# Altium PCB LPC4357_SDRAM_v0.2.PcbDoc (part 2 of 3)
Units mm, origin at the board's own origin, x right, y up, seen from the top; angles counter-clockwise.
Board outline 50 x 50 mm, 4 copper layers (Top Layer, Int1 (GND), Int2 (PWR), Bottom Layer), stack 1.57 mm thick; 90 components, 233 nets, 714 pads, 346 vias.
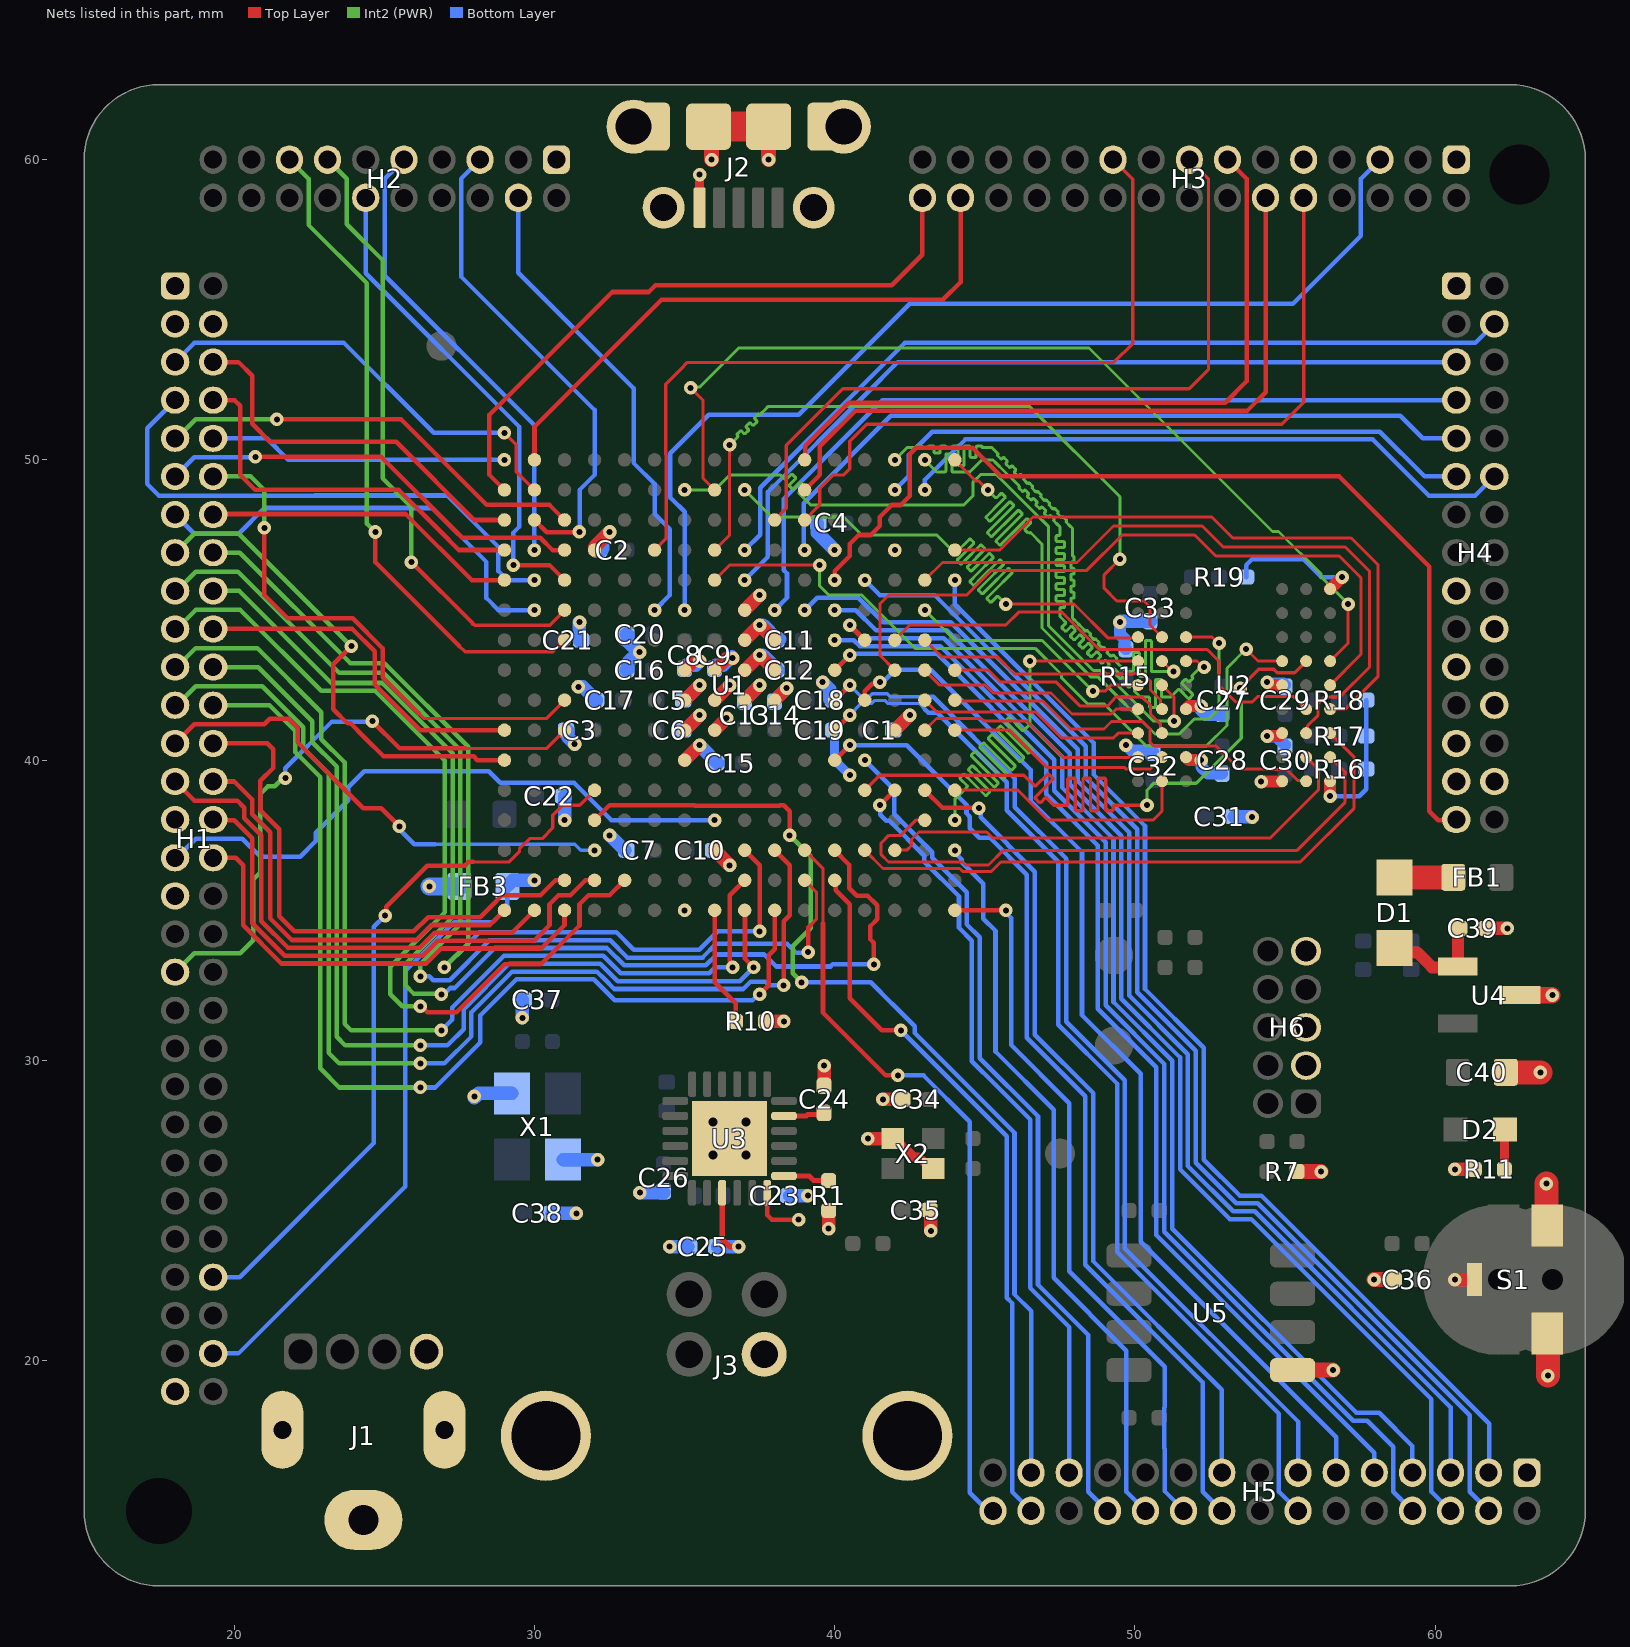
[diagram p4: the nets of this part, all layers, seen from the top]

## Via types
v1: diameter 0.45, hole 0.2, Top Layer to Bottom Layer, tented both sides, 231 vias
v2: diameter 0.45, hole 0.2, Top Layer to Bottom Layer, tented bottom, 68 vias
v3: diameter 0.45, hole 0.2, Top Layer to Bottom Layer, tented top, 27 vias
v4: diameter 0.5, hole 0.25, Top Layer to Bottom Layer, tented both sides, 15 vias
v5: diameter 0.5, hole 0.3, Top Layer to Bottom Layer, tented bottom, 4 vias
v6: diameter 0.45, hole 0.2, Top Layer to Bottom Layer, 1 vias

## Nets (pads, with @x,y where several pads share a name; then routed paths per layer and width w, separated by ;. In a path a pad name is that pad's centre, name@x,y a point inside that pad or via, vN(x,y) a via of type N, cw(c..) or ccw(c..) an arc to the next point about the centre after c; other vN are vias at no path point) (continued)
EMC_A13: U1.T16 U2.G7 | length 25.3
  Top Layer w0.1: U1.T16@44,50 44.7,49.3 44.8,49.3 v3(45.1,49) ; U2.G7@51.7,44.1 52.566,44.1 52.766,43.9 v1(52.8,43.9) v1@52.8,43.981
  Int2 (PWR) w0.1: v3(45.1,49) 45.305,48.795 45.347,48.753 ccw(c45.375,48.781) 45.404,48.753 45.525,48.874 cw(c45.553,48.846) 45.582,48.874 45.667,48.789 cw(c45.638,48.761) 45.667,48.733 45.517,48.583 45.053,48.12 ccw(c45.082,48.091) 45.053,48.063 45.138,47.978 ccw(c45.167,48.006) 45.195,47.978 45.658,48.442 45.808,48.591 cw(c45.836,48.563) 45.865,48.591 45.949,48.506 cw(c45.921,48.478) 45.949,48.45 45.8,48.3 45.105,47.606 ccw(c45.134,47.577) 45.105,47.549 45.19,47.464 ccw(c45.218,47.493) 45.247,47.464 45.941,48.159 46.091,48.308 cw(c46.119,48.28) 46.147,48.309 46.232,48.224 cw(c46.204,48.195) 46.232,48.167 46.083,48.017 45.388,47.323 ccw(c45.416,47.295) 45.388,47.266 45.473,47.182 ccw(c45.501,47.21) 45.53,47.182 46.224,47.876 46.374,48.026 cw(c46.402,47.997) 46.43,48.026 46.515,47.941 cw(c46.487,47.912) 46.515,47.884 46.365,47.734 46.348,47.717 ccw(c46.376,47.688) 46.348,47.66 46.432,47.575 ; 46.489,47.575 46.479,47.565 cw(c46.507,47.536) 46.535,47.565 46.897,47.203 46.9,47.2 46.9,44.818 46.902,44.816 46.902,44.4 48.524,42.778 48.764,42.778 50.669,40.873 51.477,40.873 51.976,41.372 52.472,41.372 52.8,41.7 v1(52.8,43.9)
EMC_A14: U1.H13 U2.G8 | length 25.3
  Top Layer w0.1: U1.H13@36,47 36.5,47.5 v1(36.5,50.5) ; v3(49.5,46.7) 48.972,46.172 48.972,45.723 49.395,45.3 50.3,45.3 50.5,45.1 50.5,44.5 U2.G8@50.9,44.1
  Int2 (PWR) w0.1: v1(36.5,50.5) 36.717,50.717 36.76,50.76 ccw(c36.731,50.788) 36.76,50.816 cw(c36.788,50.845) 36.76,50.873 36.845,50.958 cw(c36.873,50.929) 36.901,50.958 36.929,50.929 36.974,50.885 ccw(c37.002,50.913) 37.03,50.885 37.115,50.97 ccw(c37.087,50.998) 37.115,51.026 37.071,51.071 37.064,51.078 cw(c37.092,51.106) 37.064,51.134 37.149,51.219 cw(c37.177,51.191) 37.205,51.219 37.212,51.212 37.257,51.168 ccw(c37.285,51.196) 37.313,51.168 37.398,51.253 ccw(c37.37,51.281) 37.398,51.309 37.354,51.354 37.347,51.361 cw(c37.375,51.389) 37.347,51.417 37.431,51.502 cw(c37.46,51.474) 37.488,51.502 37.467,51.523 ccw(c37.495,51.552) 37.523,51.523 37.7,51.7 37.772,51.772 46.499,51.772 49.5,48.771 v3(49.5,46.7)
EMC_CAS: U1.R16 U2.F7 | length 26.1
  Top Layer w0.1: U2.F7@51.7,43.3 52.066,43.3 52.266,43.1 v3(52.3,43.1)
  Int2 (PWR) w0.1: v2(43,50) 43.2,49.8 43.4,49.6 43.5,49.6 43.66,49.6 ccw(c43.66,49.64) 43.7,49.64 43.7,50.161 cw(c43.74,50.161) 43.74,50.201 43.86,50.201 cw(c43.86,50.161) 43.9,50.161 43.9,49.64 ccw(c43.94,49.64) 43.94,49.6 44.1,49.6 44.102,49.6 44.5,49.6 44.9,50 45.271,50 45.365,49.905 45.45,49.821 45.573,49.698 46.134,49.137 46.156,49.114 46.149,49.107 ccw(c46.178,49.079) 46.149,49.05 46.234,48.966 ccw(c46.263,48.994) 46.291,48.966 46.298,48.973 46.305,48.98 cw(c46.333,48.951) 46.362,48.98 46.446,48.895 cw(c46.418,48.867) 46.446,48.838 46.439,48.831 46.432,48.824 ccw(c46.461,48.796) 46.432,48.768 46.517,48.683 ccw(c46.545,48.711) 46.574,48.683 46.581,48.69 46.588,48.697 cw(c46.616,48.669) 46.644,48.697 46.729,48.612 cw(c46.701,48.584) 46.729,48.555 46.722,48.548 46.715,48.541 ccw(c46.743,48.513) 46.715,48.485 46.8,48.4 ccw(c46.828,48.428) 46.857,48.4 46.864,48.407 46.871,48.414 cw(c46.899,48.386) 46.927,48.414 47.012,48.329 cw(c46.984,48.301) 47.012,48.273 47.005,48.266 46.998,48.258 ccw(c47.026,48.23) 46.998,48.202 47.083,48.117 ccw(c47.111,48.145) 47.139,48.117 47.146,48.124 47.154,48.131 cw(c47.182,48.103) 47.21,48.131 47.295,48.046 cw(c47.267,48.018) 47.295,47.99 47.288,47.983 47.429,47.841 47.5,47.771 47.5,47.683 47.5,47.523 cw(c47.46,47.523) 47.46,47.483 47.416,47.483 ccw(c47.416,47.443) 47.376,47.443 47.376,47.323 ccw(c47.416,47.323) 47.416,47.283 47.5,47.283 47.612,47.283 cw(c47.612,47.243) 47.652,47.243 47.652,47.123 cw(c47.612,47.123) 47.612,47.083 47.5,47.083 47.416,47.083 ccw(c47.416,47.043) 47.376,47.043 47.376,46.923 ccw(c47.416,46.923) 47.416,46.883 47.5,46.883 47.612,46.883 cw(c47.612,46.843) 47.652,46.843 47.652,46.723 cw(c47.612,46.723) 47.612,46.683 47.5,46.683 47.416,46.683 ccw(c47.416,46.643) 47.376,46.643 47.376,46.523 ccw(c47.416,46.523) 47.416,46.483 47.5,46.483 47.612,46.483 cw(c47.612,46.443) 47.652,46.443 47.652,46.323 cw(c47.612,46.323) 47.612,46.283 47.5,46.283 47.416,46.283 ccw(c47.416,46.243) 47.376,46.243 47.376,46.123 ccw(c47.416,46.123) 47.416,46.083 47.5,46.083 47.612,46.083 cw(c47.612,46.043) 47.652,46.043 47.652,45.923 cw(c47.612,45.923) 47.612,45.883 47.5,45.883 47.416,45.883 ccw(c47.416,45.843) 47.376,45.843 47.376,45.723 ccw(c47.416,45.723) 47.416,45.683 47.5,45.683 47.612,45.683 cw(c47.612,45.643) 47.652,45.643 47.652,45.523 cw(c47.612,45.523) 47.612,45.483 47.5,45.483 47.416,45.483 ccw(c47.416,45.443) 47.376,45.443 47.376,45.323 ccw(c47.416,45.323) 47.416,45.283 47.5,45.283 47.612,45.283 cw(c47.612,45.243) 47.652,45.243 47.652,45.123 cw(c47.612,45.123) 47.612,45.083 47.54,45.083 ccw(c47.54,45.043) 47.5,45.043 47.5,44.883 47.5,44.783 47.567,44.716 47.68,44.603 cw(c47.652,44.575) 47.68,44.547 47.581,44.448 ccw(c47.609,44.42) 47.581,44.391 47.666,44.306 ccw(c47.694,44.335) 47.723,44.306 47.85,44.433 47.857,44.441 cw(c47.885,44.412) 47.913,44.441 47.998,44.356 cw(c47.97,44.327) 47.998,44.299 47.991,44.292 47.864,44.165 ccw(c47.892,44.137) 47.864,44.108 47.949,44.024 ccw(c47.977,44.052) 48.005,44.024 48.133,44.151 48.14,44.158 cw(c48.168,44.129) 48.196,44.158 48.281,44.073 cw(c48.253,44.045) 48.281,44.016 48.274,44.009 48.147,43.882 ccw(c48.175,43.854) 48.147,43.826 48.232,43.741 ccw(c48.26,43.769) 48.288,43.741 48.415,43.868 48.422,43.875 cw(c48.451,43.847) 48.479,43.875 48.564,43.79 cw(c48.536,43.762) 48.564,43.733 48.557,43.726 48.43,43.599 ccw(c48.458,43.571) 48.43,43.543 48.515,43.458 ccw(c48.543,43.486) 48.571,43.458 48.698,43.585 48.705,43.592 cw(c48.734,43.564) 48.762,43.592 48.847,43.507 cw(c48.818,43.479) 48.847,43.451 48.84,43.443 48.786,43.389 ccw(c48.814,43.361) 48.786,43.333 48.87,43.248 ccw(c48.899,43.276) 48.927,43.248 48.981,43.302 48.988,43.309 cw(c49.016,43.281) 49.045,43.309 49.13,43.224 cw(c49.101,43.196) 49.13,43.168 49.122,43.161 49.115,43.154 ccw(c49.144,43.125) 49.115,43.097 49.2,43.012 ccw(c49.229,43.04) 49.257,43.012 49.264,43.019 49.271,43.026 cw(c49.299,42.998) 49.328,43.026 49.412,42.941 cw(c49.384,42.913) 49.412,42.885 49.405,42.878 49.398,42.871 ccw(c49.427,42.842) 49.398,42.814 49.483,42.729 ccw(c49.511,42.758) 49.54,42.729 49.547,42.736 49.554,42.743 cw(c49.582,42.715) 49.61,42.743 49.695,42.659 cw(c49.667,42.63) 49.695,42.602 49.688,42.595 49.681,42.588 ccw(c49.709,42.56) 49.681,42.531 49.766,42.446 ccw(c49.794,42.475) 49.823,42.446 49.83,42.454 49.993,42.617 cw(c50.021,42.589) 50.049,42.617 50.134,42.532 cw(c50.106,42.504) 50.134,42.475 49.999,42.34 ccw(c50.028,42.312) 49.999,42.284 50.112,42.171 50.183,42.1 50.286,42.1 50.446,42.1 cw(c50.446,42.06) 50.486,42.06 50.486,41.794 ccw(c50.526,41.794) 50.526,41.754 50.646,41.754 ccw(c50.646,41.794) 50.686,41.794 50.686,42.1 50.686,42.65 cw(c50.726,42.65) 50.726,42.69 50.846,42.69 cw(c50.846,42.65) 50.886,42.65 50.886,42.14 ccw(c50.926,42.14) 50.926,42.1 51.086,42.1 51.186,42.1 51.318,42.232 51.431,42.345 cw(c51.46,42.317) 51.488,42.345 51.766,42.067 ccw(c51.794,42.096) 51.822,42.067 51.907,42.152 ccw(c51.879,42.181) 51.907,42.209 51.601,42.515 51.577,42.54 cw(c51.605,42.568) 51.577,42.596 51.661,42.681 cw(c51.69,42.653) 51.718,42.681 51.742,42.656 51.771,42.628 ccw(c51.799,42.656) 51.827,42.628 51.912,42.713 ccw(c51.884,42.741) 51.912,42.77 cw(c51.94,42.798) 51.912,42.826 51.955,42.869 52.162,43.076 52.162,43.1 v3(52.3,43.1)
EMC_CKE: U1.H12 U2.F3 | length 24.7
  Top Layer w0.1: U1.H12@36,46 36.5,46.5 v1(39.5,46.5) ; v3(53.7,43.7) 54.1,43.3 U2.F3@54.9,43.3
  Int2 (PWR) w0.1: v1(39.5,46.5) 39.5,45.8 39.8,45.5 40.9,45.5 42.672,43.728 46.677,43.728 47.55,42.855 47.55,42.745 48.423,41.872 48.977,41.872 50.377,40.472 52.377,40.472 53.062,41.157 53.062,43.062 v3(53.7,43.7)
EMC_CLK: U1.N5 U2.F2 | length 26.7
  Top Layer w0.11: U1.N5@41,39 41.5,39.5 46.2,39.5 46.3,39.5 46.641,39.159 ccw(c46.676,39.195) 46.712,39.159 47.072,39.519 cw(c47.108,39.484) 47.143,39.519 47.25,39.412 cw(c47.214,39.377) 47.25,39.341 46.855,38.945 46.692,38.783 ccw(c46.728,38.747) 46.692,38.712 46.799,38.605 ccw(c46.835,38.641) 46.87,38.605 46.997,38.732 cw(c47.033,38.696) 47.068,38.732 47.211,38.589 47.3,38.5 47.51,38.5 47.712,38.5 ccw(c47.712,38.55) 47.762,38.55 47.762,39.35 cw(c47.812,39.35) 47.812,39.4 47.964,39.4 cw(c47.964,39.35) 48.014,39.35 48.014,38.5 48.014,38.365 ccw(c48.064,38.365) 48.064,38.315 48.216,38.315 ccw(c48.216,38.365) 48.266,38.365 48.266,38.5 48.266,39.35 cw(c48.316,39.35) 48.316,39.4 48.468,39.4 cw(c48.468,39.35) 48.518,39.35 48.518,38.5 48.518,38.365 ccw(c48.568,38.365) 48.568,38.315 48.72,38.315 ccw(c48.72,38.365) 48.77,38.365 48.77,38.5 48.77,39.35 cw(c48.82,39.35) 48.82,39.4 48.972,39.4 cw(c48.972,39.35) 49.022,39.35 49.022,38.5 49.022,38.365 ccw(c49.072,38.365) 49.072,38.315 49.224,38.315 ccw(c49.224,38.365) 49.274,38.365 49.274,38.45 cw(c49.324,38.45) 49.324,38.5 49.4,38.5 v3(50.4,38.5) ; v1(53.5,42.4) 54.126,43.027 54.629,43.027 54.741,42.915 55.315,42.915 U2.F2@55.7,43.3
  Int2 (PWR) w0.11: v3(50.4,38.5) 50.4,39 50.628,39.228 50.728,39.228 ; 50.851,39.228 50.728,39.228 ; v1(53.5,42.4) 53.534,42.366 53.534,40.729 52.033,39.228 50.728,39.228
EMC_CS0: U1.J15 U2.G9 | length 25.3
  Top Layer w0.1: v3(45.7,45.2) 47.971,45.2 49.109,44.062 50.062,44.062 U2.G9@50.1,44.1
  Int2 (PWR) w0.1: v2(37,49) 37.9,48.1 40.3,48.1 40.9,47.5 43.4,47.5 43.507,47.393 43.983,46.916 ccw(c44.012,46.945) 44.04,46.916 44.476,47.353 cw(c44.505,47.324) 44.533,47.353 44.618,47.268 cw(c44.59,47.24) 44.618,47.211 44.153,46.747 44.096,46.689 ccw(c44.124,46.661) 44.096,46.633 44.181,46.548 ccw(c44.209,46.576) 44.237,46.548 44.295,46.605 44.841,47.151 cw(c44.869,47.123) 44.897,47.151 44.982,47.066 cw(c44.954,47.038) 44.982,47.01 44.436,46.464 44.429,46.457 ccw(c44.457,46.428) 44.429,46.4 44.514,46.315 ccw(c44.542,46.344) 44.57,46.315 44.577,46.322 45.124,46.868 cw(c45.152,46.84) 45.18,46.868 45.265,46.784 cw(c45.237,46.755) 45.265,46.727 44.719,46.181 44.518,45.98 ccw(c44.546,45.952) 44.518,45.924 44.603,45.839 ccw(c44.631,45.867) 44.659,45.839 44.86,46.04 45.473,46.653 cw(c45.502,46.624) 45.53,46.653 45.615,46.568 cw(c45.587,46.54) 45.615,46.511 45.002,45.898 44.802,45.698 ccw(c44.83,45.67) 44.802,45.641 44.887,45.557 ccw(c44.915,45.585) 44.943,45.557 45.143,45.757 45.756,46.37 cw(c45.785,46.342) 45.813,46.37 45.898,46.285 cw(c45.869,46.257) 45.898,46.228 45.285,45.615 45.085,45.415 ccw(c45.113,45.387) 45.085,45.359 45.169,45.274 ccw(c45.198,45.302) 45.226,45.274 45.398,45.446 cw(c45.426,45.417) 45.454,45.446 45.497,45.403 v3(45.7,45.2)
EMC_DQ0: U1.T5 U2.A8 | length 8.4
  Top Layer w0.1: U1.T5@44,39 46.1,39 46.462,38.638 47.1,38 50.6,38 50.9,38.3 U2.A8@50.9,39.3
EMC_DQ1: U1.R7 U2.B9 | length 7.8
  Top Layer w0.1: U1.R7@43,41 43.39,41.39 44.883,41.39 44.963,41.31 46.39,41.31 47.602,40.098 U2.B9@50.1,40.1 U2.B9@50.1,40.1
EMC_DQ2: U1.T7 U2.B8 | length 7.6
  Top Layer w0.1: U1.T7@44,41 44.9,41 45.831,41 47.082,39.749 49.656,39.749 49.69,39.715 50.515,39.715 U2.B8@50.9,40.1
EMC_DQ3: U1.R8 U2.C9 | length 7.7
  Top Layer w0.1: U1.R8@43,42 43.39,41.61 46.69,41.61 47.562,40.738 49.279,40.738 49.443,40.902 50.098,40.902 U2.C9@50.1,40.9
EMC_DQ4: U1.T9 U2.C8 | length 8.3
  Top Layer w0.1: U1.T9@44,43 45.123,43 45.523,42.6 47.381,42.6 48.181,41.8 49.097,41.8 49.365,42.1 50.246,42.1 50.514,41.832 50.514,41.54 50.853,41.202 50.853,40.947 U2.C8@50.9,40.9
EMC_DQ5: U1.R9 U2.D9 | length 7.8
  Top Layer w0.1: U1.R9@43,43 43.5,42.5 45.018,42.5 45.282,42.236 47.205,42.236 47.903,41.538 49.206,41.538 49.368,41.7 U2.D9@50.1,41.7
EMC_DQ6: U1.R10 U2.D8 | length 9.2
  Top Layer w0.1: U1.R10@43,44 43.555,43.445 45.415,43.445 45.987,42.872 49.926,42.872 49.94,42.886 50.26,42.886 50.514,42.632 50.514,42.34 50.853,42.002 50.853,41.747 U2.D8@50.9,41.7
EMC_DQ7: U1.R11 U2.E9 | length 8.3
  Top Layer w0.1: v3(48.6,42.3) 49,42.3 49.199,42.499 U2.E9@50.1,42.5
  Int2 (PWR) w0.1: v6(43,45) 43.219,44.781 44.01,43.99 46.91,43.99 48.496,42.404 v3(48.6,42.3)
EMC_DQ8: U1.P9 U2.E1 | length 24
  Top Layer w0.1: U1.P9@42,43 41.5,43.5 41.5,45.2 41.8,45.5 44.4,45.5 45.224,46.324 48.398,46.324 49.575,47.502 51.988,47.502 52.69,46.8 56.8,46.8 57.528,46.072 57.528,43.528 U2.E1@56.5,42.5
EMC_DQ9: U1.P10 U2.D2 | length 16
  Top Layer w0.1: U1.P10@42,44 42.5,44.5 45.7,44.5 46.128,44.928 47.572,44.928 48.81,43.69 49.974,43.69 ; 49.974,43.69 52.405,43.69 52.8,43.295 52.8,42.5 52.8,42.496 53.36,41.936 53.907,41.936 54.098,42.127 54.641,42.127 54.653,42.115 55.285,42.115 U2.D2@55.7,41.7
EMC_DQ10: U1.T13 U2.D1 | length 21
  Top Layer w0.1: U1.T13@44,47 45.5,47 46.6,48.1 52.559,48.1 53.259,47.4 57.2,47.4 58.1,46.5 58.1,42.8 57,41.7 U2.D1@56.5,41.7
EMC_DQ11: U1.R12 U2.C2 | length 22.7
  Top Layer w0.1: U1.R12@43,46 43.586,46.586 48.068,46.586 49.281,47.8 52.239,47.8 52.939,47.1 57,47.1 57.807,46.293 57.807,43.1 56.807,42.1 56.3,42.1 56.1,41.9 56.1,41.5 55.747,41.147 55.747,40.947 U2.C2@55.7,40.9
EMC_DQ12: U1.N3 U2.C1 | length 20.3
  Top Layer w0.1: U1.N3@41,37 41.61,36.39 44.162,36.39 44.262,36.29 45.214,36.29 45.531,36.607 45.762,36.607 55.507,36.607 57.3,38.4 57.3,40.1 U2.C1@56.5,40.9
EMC_DQ13: U1.P3 U2.B2 | length 16.5
  Top Layer w0.1: U1.P3@42,37 42.015,37.015 42.415,37.015 42.556,37.156 42.556,37.356 42.81,37.61 45.059,37.61 45.258,37.411 54.506,37.411 56.104,39.01 56.104,39.696 U2.B2@55.7,40.1
EMC_DQ14: U1.R4 U2.B1 | length 20.3
  Top Layer w0.1: U1.R4@43,38 42.7,38 42.2,37.5 41.8,37.5 41.546,37.246 41.546,36.854 41.79,36.61 44.253,36.61 44.353,36.51 45.123,36.51 45.613,37 45.771,37 55.4,37 57,38.6 57,39.6 U2.B1@56.5,40.1
EMC_DQ15: U1.T8 U2.A2 | length 13.3
  Top Layer w0.1: U1.T8@44,42 44.026,41.974 46.926,41.974 47.859,41.041 48.972,41.041 49.216,41.286 50.26,41.286 50.5,41.046 50.5,40.6 50.627,40.473 52.69,40.473 53.46,39.703 54.389,39.703 54.407,39.685 55.059,39.685 55.285,39.459 55.285,39.454 55.419,39.32 55.68,39.32 U2.A2@55.7,39.3
EMC_DQM0: U1.G15 U2.E8 | length 25.4
  Top Layer w0.1: U2.E8@50.9,42.5 51.3,42.1 v3(51.3,41.3)
  Int2 (PWR) w0.1: v2(35,49) 36,49 36.5,49.5 38.2,49.5 38.298,49.402 38.34,49.36 ccw(c38.368,49.388) 38.397,49.36 38.544,49.507 cw(c38.572,49.479) 38.6,49.507 38.685,49.422 cw(c38.657,49.394) 38.685,49.366 38.51,49.19 38.503,49.183 ccw(c38.531,49.155) 38.503,49.127 38.588,49.042 ccw(c38.616,49.07) 38.644,49.042 38.651,49.049 38.827,49.224 cw(c38.855,49.196) 38.883,49.224 38.968,49.139 cw(c38.94,49.111) 38.968,49.083 38.821,48.936 ccw(c38.849,48.907) 38.821,48.879 38.934,48.766 39.013,48.687 39.2,48.5 44.3,48.5 44.6,48.8 44.6,49.253 44.858,49.511 45.389,49.511 46.664,48.236 47.112,47.788 47.112,44.487 48.611,42.988 48.851,42.988 48.929,42.91 49.003,42.91 50.613,41.3 v3(51.3,41.3)
EMC_DQM1: U1.H15 U2.F1 | length 31.9
  Top Layer w0.1: v1(35.2,52.4) 35.61,51.99 35.61,49.838 35.61,49.39 U1.H15@36,49 ; U2.F1@56.5,43.3 57.1,43.9 v3(57.1,45.2)
  Int2 (PWR) w0.1: v1(35.2,52.4) 35.231,52.431 35.506,52.431 36.8,53.725 48.469,53.725 54.576,47.618 54.782,47.618 56.2,46.2 56.2,46.1 v3(57.1,45.2)
EMC_RAS: U1.P16 U2.F8 | length 22.6
  Top Layer w0.1: U2.F8@50.9,43.3 v3@51.3,42.9
  Int2 (PWR) w0.1: v2(42,50) 42.329,50.329 42.411,50.411 42.511,50.411 42.711,50.411 42.711,50.423 cw(c42.751,50.423) 42.751,50.463 42.871,50.463 cw(c42.871,50.423) 42.911,50.423 42.911,50.411 43.111,50.411 43.111,50.423 cw(c43.151,50.423) 43.151,50.463 43.271,50.463 cw(c43.271,50.423) 43.311,50.423 43.311,50.411 43.311,50.269 ccw(c43.351,50.269) 43.351,50.229 43.471,50.229 ccw(c43.471,50.269) 43.511,50.269 43.511,50.411 43.511,50.423 cw(c43.551,50.423) 43.551,50.463 43.671,50.463 cw(c43.671,50.423) 43.711,50.423 43.711,50.411 43.911,50.411 43.911,50.423 cw(c43.951,50.423) 43.951,50.463 44.071,50.463 cw(c44.071,50.423) 44.111,50.423 44.111,50.411 44.111,49.85 ccw(c44.151,49.85) 44.151,49.81 44.271,49.81 ccw(c44.271,49.85) 44.311,49.85 44.311,50.411 44.311,50.423 cw(c44.351,50.423) 44.351,50.463 44.471,50.463 cw(c44.471,50.423) 44.511,50.423 44.511,50.411 44.511,50.124 ccw(c44.551,50.124) 44.551,50.084 44.671,50.084 ccw(c44.671,50.124) 44.711,50.124 44.711,50.411 44.711,50.423 cw(c44.751,50.423) 44.751,50.463 44.871,50.463 cw(c44.871,50.423) 44.911,50.423 44.911,50.411 45.111,50.411 45.23,50.411 45.301,50.34 45.442,50.199 45.434,50.19 ccw(c45.462,50.162) 45.434,50.134 45.519,50.049 ccw(c45.547,50.077) 45.575,50.049 45.584,50.057 45.592,50.066 cw(c45.62,50.038) 45.649,50.066 45.734,49.981 cw(c45.705,49.953) 45.734,49.925 45.725,49.916 45.717,49.908 ccw(c45.745,49.879) 45.717,49.851 45.801,49.766 ccw(c45.83,49.794) 45.858,49.766 45.866,49.775 45.875,49.783 cw(c45.903,49.755) 45.932,49.783 46.016,49.698 cw(c45.988,49.67) 46.016,49.642 46.008,49.633 45.999,49.625 ccw(c46.028,49.596) 45.999,49.568 46.084,49.483 ccw(c46.112,49.512) 46.141,49.483 46.149,49.492 46.158,49.5 cw(c46.186,49.472) 46.214,49.5 46.299,49.415 cw(c46.271,49.387) 46.299,49.359 46.291,49.35 46.432,49.209 46.441,49.217 cw(c46.469,49.189) 46.497,49.217 46.582,49.133 cw(c46.554,49.104) 46.582,49.076 46.574,49.068 46.715,48.926 46.723,48.935 cw(c46.752,48.906) 46.78,48.935 46.865,48.85 cw(c46.837,48.821) 46.865,48.793 46.856,48.785 46.998,48.643 47.006,48.652 cw(c47.035,48.623) 47.063,48.652 47.148,48.567 cw(c47.119,48.539) 47.148,48.51 47.139,48.502 47.281,48.36 47.289,48.369 cw(c47.317,48.341) 47.346,48.369 47.431,48.284 cw(c47.402,48.256) 47.431,48.227 47.422,48.219 47.563,48.078 47.572,48.086 cw(c47.6,48.058) 47.629,48.086 47.713,48.001 cw(c47.685,47.973) 47.713,47.945 47.705,47.936 47.846,47.795 47.916,47.725 47.916,47.625 47.916,47.425 47.916,47.316 47.916,47.095 47.916,46.995 47.916,46.795 47.928,46.795 cw(c47.928,46.755) 47.968,46.755 47.968,46.635 cw(c47.928,46.635) 47.928,46.595 47.916,46.595 47.902,46.595 ccw(c47.902,46.555) 47.862,46.555 47.862,46.435 ccw(c47.902,46.435) 47.902,46.395 47.916,46.395 47.928,46.395 cw(c47.928,46.355) 47.968,46.355 47.968,46.235 cw(c47.928,46.235) 47.928,46.195 47.916,46.195 47.902,46.195 ccw(c47.902,46.155) 47.862,46.155 47.862,46.035 ccw(c47.902,46.035) 47.902,45.995 47.916,45.995 47.928,45.995 cw(c47.928,45.955) 47.968,45.955 47.968,45.835 cw(c47.928,45.835) 47.928,45.795 47.916,45.795 47.902,45.795 ccw(c47.902,45.755) 47.862,45.755 47.862,45.635 ccw(c47.902,45.635) 47.902,45.595 47.916,45.595 47.928,45.595 cw(c47.928,45.555) 47.968,45.555 47.968,45.435 cw(c47.928,45.435) 47.928,45.395 47.916,45.395 47.902,45.395 ccw(c47.902,45.355) 47.862,45.355 47.862,45.235 ccw(c47.902,45.235) 47.902,45.195 47.916,45.195 47.916,45.003 47.916,44.82 47.916,44.737 47.959,44.695 48.065,44.589 48.127,44.527 48.215,44.439 48.356,44.297 48.365,44.306 cw(c48.393,44.278) 48.421,44.306 48.506,44.221 cw(c48.478,44.193) 48.506,44.165 48.498,44.156 48.639,44.015 48.648,44.023 cw(c48.676,43.995) 48.704,44.023 48.789,43.938 cw(c48.761,43.91) 48.789,43.882 48.781,43.873 48.922,43.732 48.93,43.74 cw(c48.959,43.712) 48.987,43.74 49.072,43.655 cw(c49.044,43.627) 49.072,43.599 49.063,43.59 49.176,43.477 ccw(c49.205,43.505) 49.233,43.477 49.24,43.485 cw(c49.269,43.456) 49.297,43.485 49.382,43.4 cw(c49.354,43.371) 49.382,43.343 49.374,43.336 ccw(c49.403,43.307) 49.374,43.279 49.488,43.166 49.629,43.025 49.7,42.954 49.743,42.954 49.903,42.954 ccw(c49.903,42.994) 49.943,42.994 49.943,43.546 cw(c49.983,43.546) 49.983,43.586 50.103,43.586 cw(c50.103,43.546) 50.143,43.546 50.143,42.954 50.143,42.829 ccw(c50.183,42.829) 50.183,42.789 50.303,42.789 ccw(c50.303,42.829) 50.343,42.829 50.343,42.954 50.343,43.946 cw(c50.383,43.946) 50.383,43.986 50.503,43.986 cw(c50.503,43.946) 50.543,43.946 50.543,42.994 ccw(c50.583,42.994) 50.583,42.954 50.743,42.954 50.843,42.954 50.983,42.954 51.136,42.954 v3(51.289,42.954)
EMC_WE: U1.T4 U2.F9 | length 25.4
  Top Layer w0.1: v3(46.5,43.3) U2.F9@50.1,43.3
  Int2 (PWR) w0.1: v2(44,38) 44,38.7 44.36,39.06 44.403,39.103 ccw(c44.374,39.131) 44.403,39.159 44.184,39.377 cw(c44.213,39.406) 44.184,39.434 44.269,39.519 cw(c44.298,39.49) 44.326,39.519 44.572,39.272 45.006,38.839 ccw(c45.034,38.867) 45.062,38.839 45.147,38.924 ccw(c45.119,38.952) 45.147,38.98 44.714,39.414 44.472,39.655 cw(c44.5,39.683) 44.472,39.712 44.557,39.797 cw(c44.585,39.768) 44.614,39.797 44.855,39.555 45.288,39.122 ccw(c45.317,39.15) 45.345,39.122 45.43,39.207 ccw(c45.402,39.235) 45.43,39.263 44.996,39.696 44.563,40.13 cw(c44.591,40.158) 44.563,40.186 44.648,40.271 cw(c44.676,40.243) 44.705,40.271 45.138,39.838 45.571,39.405 ccw(c45.6,39.433) 45.628,39.405 45.713,39.489 ccw(c45.684,39.518) 45.713,39.546 45.279,39.979 44.846,40.413 cw(c44.874,40.441) 44.846,40.469 44.931,40.554 cw(c44.959,40.526) 44.987,40.554 45.421,40.121 45.854,39.687 ccw(c45.882,39.716) 45.911,39.687 45.996,39.772 ccw(c45.967,39.801) 45.996,39.829 45.562,40.262 45.129,40.696 cw(c45.157,40.724) 45.129,40.752 45.214,40.837 cw(c45.242,40.809) 45.27,40.837 45.704,40.404 46.137,39.97 ccw(c46.165,39.999) 46.194,39.97 46.278,40.055 ccw(c46.25,40.083) 46.278,40.112 45.845,40.545 45.412,40.978 cw(c45.44,41.007) 45.412,41.035 45.496,41.12 cw(c45.525,41.092) 45.553,41.12 45.986,40.686 46.42,40.253 ccw(c46.448,40.281) 46.476,40.253 46.561,40.338 ccw(c46.533,40.366) 46.561,40.394 46.128,40.828 45.694,41.261 cw(c45.723,41.289) 45.694,41.318 45.779,41.403 cw(c45.808,41.374) 45.836,41.403 46.241,40.998 ccw(c46.269,41.026) 46.298,40.998 46.5,41.2 v3(46.5,43.3)